# Allegro board HI3516APERB_VER_B_PCB.brd (continued)
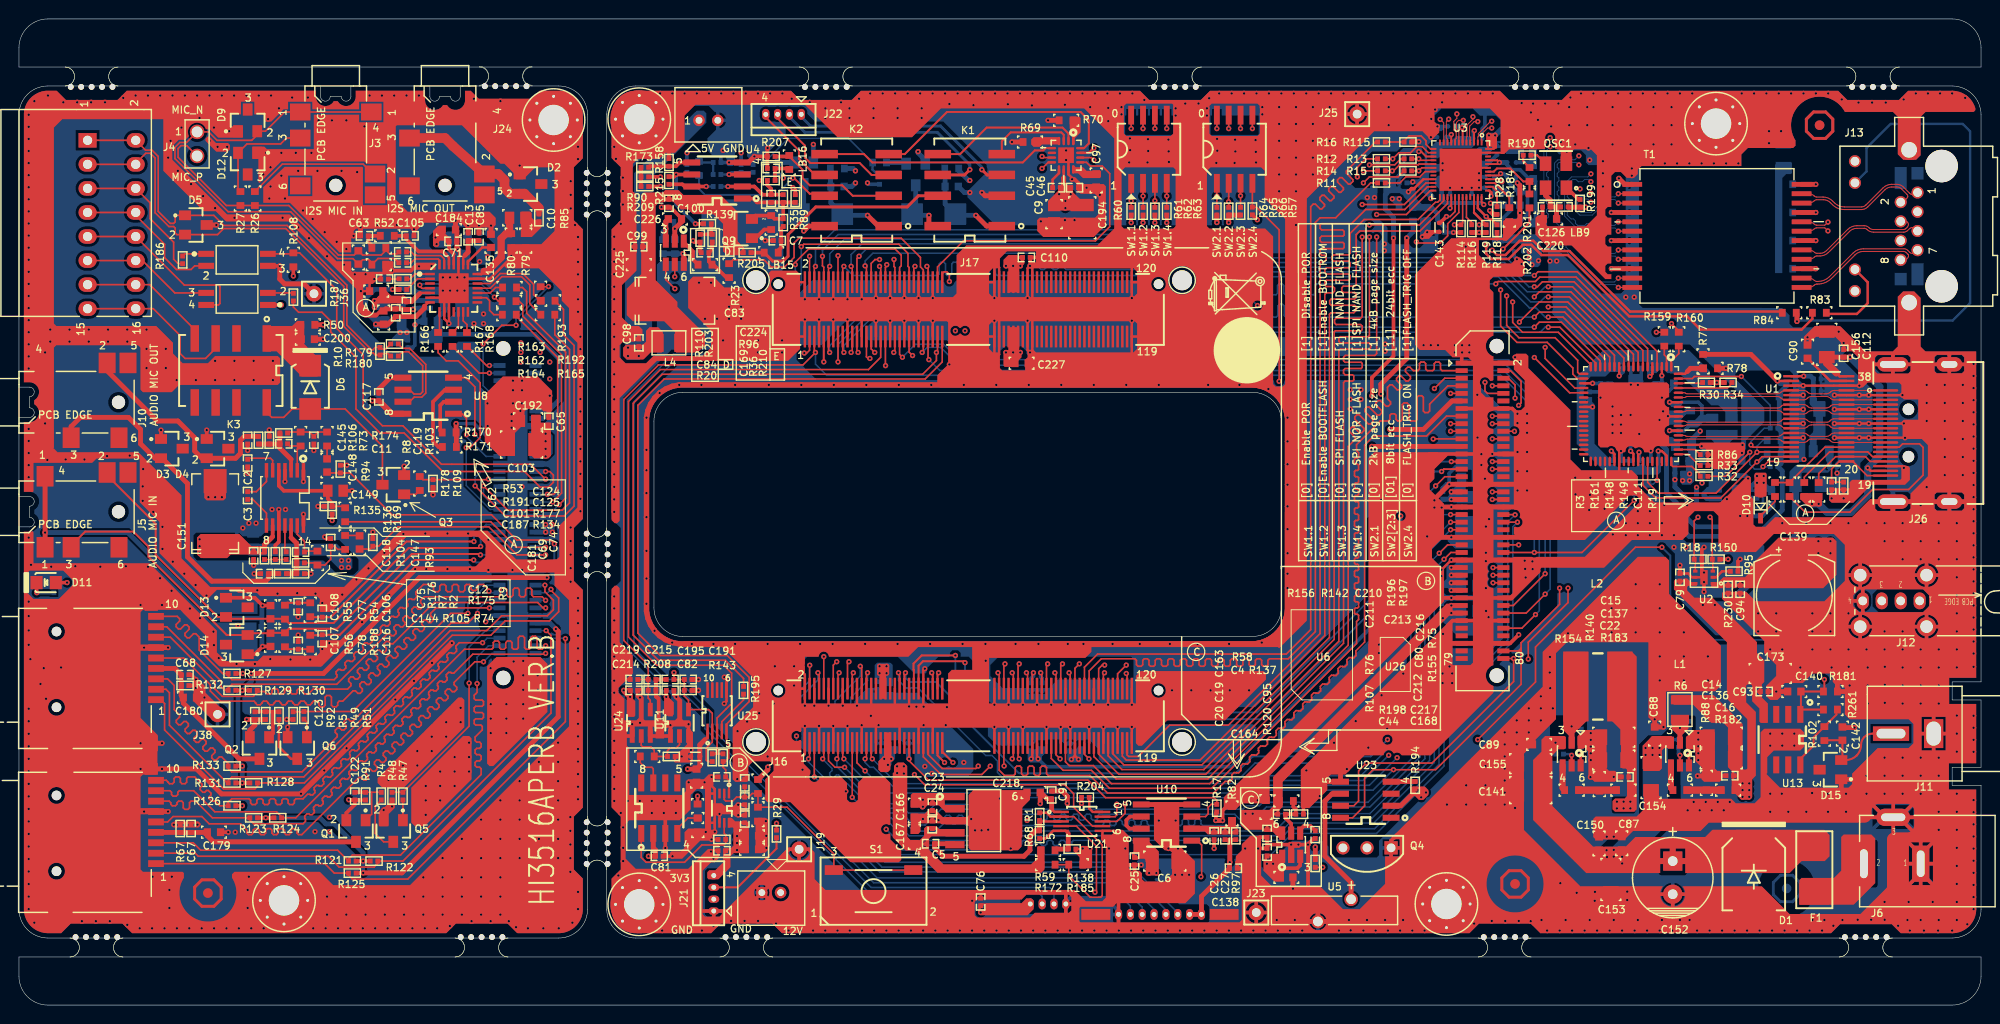
[diagram p0: board, top side]
## Routing (per net, layer and track width the routed paths; a pad name or vN(x,y) marks a point on that pad's centre or on a via; arc(x,y) is an arc through that point) (continued)
  BOTTOM w0.165: J9.3 v1(55.57,37.15)
SDIO1_CDATA1: length 93.3
  TOP w0.165: J8.5 150.44,66.2 v1(149.35,65.12) ; v1(106.3,35.1) 106.42,34.98 J16.76
  ART03 w0.165: v1(149.35,65.12) 149.35,64.48 149.03,64.16 148.8,64.16 148.59,64.38 148.35,64.38 148.12,64.14 148.12,63.91 148.33,63.7 148.33,63.46 148.1,63.23 147.86,63.23 147.65,63.44 147.42,63.44 147.19,63.21 147.19,62.97 147.4,62.76 147.4,62.53 147.16,62.3 146.93,62.3 146.72,62.51 146.49,62.51 146.25,62.27 146.25,62.04 146.46,61.83 146.46,61.6 146.23,61.36 146,61.36 145.78,61.57 145.55,61.57 145.32,61.34 145.32,61.11 145.53,60.89 145.53,60.66 144.66,59.8 144.43,59.8 144.09,60.13 143.86,60.13 143.63,59.9 143.63,59.67 143.96,59.33 143.96,59.1 142.85,57.98 142.61,57.98 142.21,58.38 141.98,58.38 141.75,58.15 141.75,57.91 142.15,57.51 142.15,57.28 141.91,57.05 141.68,57.05 141.28,57.45 141.05,57.45 140.81,57.21 140.81,56.98 141.21,56.58 141.21,56.35 140.98,56.11 140.75,56.11 140.35,56.51 140.11,56.51 139.88,56.28 139.88,56.05 140.28,55.64 140.28,55.41 139.24,54.38 139.24,53.8 139.41,53.64 139.53,53.64 139.7,53.47 139.7,53.14 139.53,52.98 139.41,52.98 139.24,52.81 139.24,52.48 139.41,52.32 139.53,52.32 139.7,52.15 139.7,51.82 139.53,51.66 139.41,51.66 139.24,51.49 139.24,51.16 139.41,51 139.53,51 139.7,50.83 139.7,50.5 139.53,50.34 139.41,50.34 139.24,50.17 139.24,49.84 139.41,49.68 139.53,49.68 139.7,49.51 139.7,49.18 139.53,49.02 139.41,49.02 139.24,48.85 139.24,48.52 139.41,48.36 139.53,48.36 139.7,48.19 139.7,47.86 139.53,47.69 139.41,47.69 139.24,47.53 139.24,47.2 139.41,47.03 139.53,47.03 139.7,46.87 139.7,46.54 139.53,46.37 139.41,46.37 139.24,46.21 139.24,45.88 139.41,45.71 139.53,45.71 139.7,45.55 139.7,45.22 139.53,45.05 139.41,45.05 139.24,44.89 139.24,44.56 139.41,44.39 139.53,44.39 139.7,44.23 139.7,43.9 139.53,43.73 139.41,43.73 139.24,43.57 139.24,43.24 139.41,43.07 139.53,43.07 139.7,42.91 139.7,42.58 139.53,42.41 139.41,42.41 139.24,42.25 139.24,41.92 139.41,41.75 139.53,41.75 139.7,41.59 139.7,41.26 139.53,41.09 139.41,41.09 139.24,40.93 139.24,40.6 139.41,40.43 139.53,40.43 139.7,40.27 139.7,38.62 131.54,30.46 120.03,30.46 118.11,28.54 108.08,28.54 106.68,29.94 106.68,33.75 106.3,34.12 v1(106.3,35.1)
SDIO1_CDATA1_C: length 59.1
  TOP w0.165: J1.8 15.93,22.64 16.1,22.47 16.1,22.23 16.26,22.07 16.59,22.07 16.76,22.23 16.76,22.47 16.92,22.64 18.44,22.64 20.66,20.41 27.18,20.41 27.71,19.88 R124.2 29.21,19.78 47.01,37.58 49.88,37.58 50.05,37.75 50.05,38.28 50.21,38.45 50.54,38.45 50.71,38.28 50.71,37.75 50.87,37.58 51.2,37.58 51.37,37.75 51.37,38.28 51.53,38.45 51.86,38.45 52.03,38.28 52.03,37.75 52.19,37.58 52.52,37.58 52.69,37.75 52.69,38.79 52.85,38.96 53.18,38.96 53.35,38.79 53.35,37.75 53.51,37.58 53.84,37.58 54.01,37.75 54.01,38.79 54.17,38.96 54.5,38.96 54.67,38.79 54.67,37.75 54.83,37.58 55.2,37.58 v1(55.57,37.95)
  BOTTOM w0.165: J9.5 v1(55.57,37.95)
SDIO1_CDATA2: length 92.9
  TOP w0.165: J16.85 108.92,26.05 110.17,24.8 113.16,24.8 115.06,22.89 125.84,22.89 141.14,38.18 141.14,40.51 141.35,40.72 141.35,41.17 141.24,41.28 141.03,41.28 140.92,41.38 140.92,41.83 141.03,41.94 141.24,41.94 141.35,42.04 141.35,42.49 141.24,42.6 141.03,42.6 140.92,42.7 140.92,43.15 141.03,43.26 141.24,43.26 141.35,43.37 141.35,43.81 141.24,43.92 141.03,43.92 140.92,44.03 140.92,44.47 141.03,44.58 141.24,44.58 141.35,44.69 141.35,45.13 141.24,45.24 141.03,45.24 140.92,45.35 140.92,45.79 141.03,45.9 141.24,45.9 141.35,46.01 141.35,46.45 141.24,46.56 141.03,46.56 140.92,46.67 140.92,47.11 141.03,47.22 141.24,47.22 141.35,47.33 141.35,47.77 141.24,47.88 141.03,47.88 140.92,47.99 140.92,48.43 141.03,48.54 141.24,48.54 141.35,48.65 141.35,49.09 141.24,49.2 141.03,49.2 140.92,49.31 140.92,49.75 141.03,49.86 141.24,49.86 141.35,49.97 141.35,50.41 141.24,50.52 141.03,50.52 140.92,50.63 140.92,51.07 141.03,51.18 141.24,51.18 141.35,51.29 141.35,51.73 141.24,51.84 141.03,51.84 140.92,51.95 140.92,52.39 141.03,52.5 141.24,52.5 141.35,52.61 141.35,53.06 141.24,53.16 141.03,53.16 140.92,53.27 140.92,53.72 141.03,53.82 141.24,53.82 141.35,53.93 141.35,54.38 141.24,54.48 141.03,54.48 140.92,54.59 140.92,55.04 141.03,55.14 141.24,55.14 141.35,55.25 141.35,55.7 141.24,55.8 141.03,55.8 140.92,55.91 140.92,56.36 141.03,56.47 141.24,56.47 141.35,56.57 141.35,57.02 141.24,57.13 141.03,57.13 140.92,57.23 140.92,57.68 141.03,57.79 141.24,57.79 141.35,57.89 141.35,58.34 141.14,58.55 141.14,59.19 143.64,61.69 144.48,61.69 144.65,61.86 144.65,62.29 144.81,62.45 145.14,62.45 145.31,62.29 145.31,61.86 145.47,61.69 145.8,61.69 145.97,61.86 145.97,63.43 146.13,63.59 146.46,63.59 146.69,63.37 146.69,61.86 146.85,61.69 147.36,61.69 147.53,61.86 147.53,64.19 147.69,64.36 148.02,64.36 148.19,64.19 148.19,62.74 148.35,62.58 148.68,62.58 148.85,62.74 148.85,63.47 150.78,65.4 J8.7
SDIO1_CDATA2_C: length 62.8
  TOP w0.165: J1.1 32.27,14.94 33.27,13.94 R125.2 34.77,13.71 35.18,13.3 41.02,13.3 57.66,29.94 v1(57.66,38.7)
  BOTTOM w0.165: J9.7 57.61,38.75 v1(57.66,38.7)
SDIO1_CDATA3: length 92.7
  TOP w0.165: J16.87 109.42,26.44 v1(109.86,26) ; J8.9 v1(151.06,64.6)
  ART03 w0.165: v1(109.86,26) 110.56,25.29 113.8,25.29 113.96,25.46 113.96,26.13 114.09,26.26 114.5,26.26 114.62,26.13 114.62,25.46 114.79,25.29 115.12,25.29 115.28,25.46 115.28,26.13 115.41,26.26 115.82,26.26 115.94,26.13 115.94,25.46 116.11,25.29 116.44,25.29 116.61,25.46 116.61,26.09 116.77,26.26 117.1,26.26 117.27,26.09 117.27,25.46 117.43,25.29 117.76,25.29 117.93,25.46 117.93,26.09 118.09,26.26 118.42,26.26 118.59,26.09 118.59,25.46 118.75,25.29 119.08,25.29 119.25,25.46 119.25,26.09 119.41,26.26 119.74,26.26 119.91,26.09 119.91,25.46 120.07,25.29 120.48,25.29 120.65,25.46 120.65,26.09 120.82,26.26 121.15,26.26 121.31,26.09 121.31,25.46 121.48,25.29 122.99,25.29 124.08,26.38 124.31,26.38 124.78,25.92 125.01,25.92 125.24,26.15 125.24,26.39 124.78,26.85 124.78,27.08 125.01,27.32 125.25,27.32 125.71,26.85 125.94,26.85 126.18,27.09 126.18,27.32 125.08,28.42 125.08,28.65 125.31,28.89 125.54,28.89 126.64,27.79 126.88,27.79 127.11,28.02 127.11,28.25 126.65,28.72 126.65,28.95 126.91,29.21 132.62,29.21 132.96,29.55 132.96,29.79 132.75,30 132.75,30.23 132.99,30.47 133.22,30.47 133.43,30.25 133.66,30.25 133.9,30.49 133.9,30.72 133.69,30.93 133.69,31.17 133.92,31.4 134.15,31.4 134.37,31.19 134.6,31.19 134.83,31.42 134.83,31.66 134.62,31.87 134.62,32.1 134.86,32.33 135.09,32.33 135.3,32.12 135.53,32.12 135.77,32.36 135.77,32.59 135.56,32.8 135.56,33.03 135.79,33.27 136.02,33.27 136.23,33.06 136.47,33.06 136.7,33.29 136.7,33.52 136.49,33.74 136.49,33.97 136.72,34.2 136.96,34.2 137.17,33.99 137.4,33.99 137.64,34.23 137.64,34.46 137.42,34.67 137.42,34.9 137.66,35.14 137.89,35.14 138.1,34.93 138.34,34.93 138.57,35.16 138.57,35.39 138.36,35.6 138.36,35.84 138.59,36.07 138.83,36.07 139.04,35.86 139.27,35.86 140.72,37.31 140.72,54.26 v1(151.06,64.6)
SDIO1_CDATA3_C: length 59.2
  TOP w0.165: J1.2 18.6,16.04 18.92,15.72 32.64,15.72 33.78,14.57 37.47,14.57 37.87,14.98 R122.2 40.51,15.21 56.13,30.83 56.13,39.04 v1(55.63,39.55)
  BOTTOM w0.165: v1(55.63,39.55) J9.9
SDIO1_VOUT: length 68
  TOP w0.165: J16.78 106.92,34.98 v1(107.04,35.1)
  TOP w0.508: v1(144.65,60.8) 148.21,60.8 151.21,63.8 J8.11
  ART04 w0.508: v1(144.65,60.8) 142.75,60.8 140.97,59.02 140.97,46.2 131.7,36.92 107.95,36.92 107.04,36.02 v1(107.04,35.1)
  BOTTOM w0.381: C102.1 106.81,34.51 107.04,34.75 v1(107.04,35.1)
SDIO1_VOUT_C: length 57.1
  TOP w0.381: R124.1 v1(26.04,19.78) R123.1 ; R121.1 v1(36.32,15.21) R122.1 ; v1(36.32,13.96) 36.3,13.94 R125.1
  TOP w0.508: v1(56.64,39.72) 56.9,39.46 56.9,30.45 40.41,13.96 v1(36.32,13.96)
  BOTTOM w0.381: v1(36.32,15.21) v1(36.32,13.96)
  BOTTOM w0.508: v1(36.32,15.21) 36.32,16.07 33.26,19.13 32.4,19.13 31.75,19.78 v1(26.04,19.78) ; J9.11 56.01,40.35 v1(56.64,39.72)
SELRGV: length 6.7
  TOP w0.165: R12.2 v1(144.96,89.38) 145.59,90.01 146.83,90.01 147.48,90.67 148.06,90.67 148.7,90.02 U3.14
  BOTTOM w0.165: R12.2 v1(144.96,89.38)
SYS_RSTN: length 88.9
  TOP w0.165: v1(69.11,35.12) C195.1 C191.1 R143.1 70.21,32.63 70.65,32.19 U11.4 72.77,31.21 73.16,30.82 U25.2 73.16,27.79 72.52,27.15 72.52,25.88 72.67,25.72 R196.1 ; v1(98.17,76.42) 98.17,77.18 97.92,77.44 97.62,77.44 97.42,77.24 J17.60
  ART03 w0.165: v1(98.17,76.42) 98.17,72.87 96.39,71.09 70.94,71.09 64.3,64.45 64.3,39.35 68.53,35.12 v1(69.11,35.12)
TEMPER_DQ: length 77.8
  TOP w0.165: J16.14 85.92,35.9 v1(86.28,36.26) ; R120.2 v1(137.57,14.55)
  ART03 w0.165: Q4.2 140.18,14.55 v1(137.57,14.55) 136.4,15.72 93.09,15.72 89.28,19.53 89.28,22.57 88.14,23.72 88.14,30.07 87.63,30.58 87.63,33.88 87.25,34.26 87.25,35.53 86.51,36.26 v1(86.28,36.26)
TX0+_SII9022A: length 22.2
  TOP w0.102: U22.62 175.68,61.67 arc(175.77,61.66) 175.85,61.63 arc(175.92,61.58) 176.01,61.56 185.6,61.56 arc(185.78,61.6) 185.94,61.7 186,61.77 arc(186.17,61.88) 186.38,61.92 U1.10 188.34,61.92 arc(188.52,61.88) 188.68,61.78 188.72,61.74 arc(188.92,61.61) 189.15,61.56 190.77,61.56 arc(190.94,61.59) 191.09,61.69 191.2,61.8 arc(191.33,61.89) 191.48,61.92 U1.29 J26.7
TX0-_SII9022A: length 22.2
  TOP w0.102: U22.61 175.68,61.17 arc(175.77,61.18) 175.85,61.22 arc(175.93,61.26) 176.01,61.28 185.6,61.28 arc(185.81,61.24) 185.99,61.12 186,61.11 arc(186.21,60.97) 186.45,60.92 U1.12 188.33,60.92 arc(188.52,60.96) 188.69,61.07 188.72,61.1 arc(188.92,61.23) 189.15,61.28 190.8,61.28 arc(190.95,61.25) 191.07,61.17 191.18,61.06 arc(191.33,60.96) 191.51,60.92 U1.27 J26.9
TX1+_SII9022A: length 22.2
  TOP w0.102: J26.4 U1.32 191.5,63.42 arc(191.33,63.39) 191.19,63.29 191.17,63.28 arc(190.93,63.12) 190.65,63.06 189.15,63.06 arc(188.98,63.09) 188.81,63.16 arc(188.77,63.2) 188.72,63.24 188.7,63.26 arc(188.52,63.38) 188.32,63.42 U1.7 186.35,63.42 arc(186.15,63.38) 185.98,63.26 185.93,63.22 arc(185.76,63.1) 185.55,63.06 176.01,63.06 arc(175.93,63.08) 175.86,63.12 arc(175.77,63.16) 175.68,63.17 U22.65
TX1-_SII9022A: length 22.2
  TOP w0.102: J26.6 196.86,62.42 U1.30 191.52,62.42 arc(191.33,62.46) 191.17,62.57 191.16,62.58 arc(190.94,62.73) 190.68,62.78 189.15,62.78 arc(188.92,62.73) 188.72,62.6 188.7,62.58 arc(188.52,62.46) 188.32,62.42 U1.9 186.53,62.42 arc(186.24,62.48) 185.99,62.64 arc(185.84,62.74) 185.66,62.78 176.01,62.78 arc(175.92,62.76) 175.84,62.71 arc(175.76,62.68) 175.67,62.67 U22.64
TX2+_SII9022A: length 22.2
  TOP w0.102: U22.68 175.68,64.67 arc(175.77,64.66) 175.85,64.63 arc(175.93,64.58) 176.01,64.56 185.53,64.56 arc(185.73,64.6) 185.9,64.71 arc(186.13,64.87) 186.4,64.92 U1.4 188.32,64.92 arc(188.52,64.88) 188.7,64.76 188.72,64.74 arc(188.77,64.7) 188.81,64.66 arc(188.98,64.59) 189.15,64.56 190.68,64.56 arc(190.94,64.61) 191.15,64.76 191.16,64.76 arc(191.33,64.88) 191.54,64.92 U1.35 J26.1
TX2-_SII9022A: length 22.2
  TOP w0.102: U22.67 175.74,64.17 arc(175.82,64.19) 175.89,64.23 arc(175.95,64.27) 176.01,64.28 185.52,64.28 arc(185.73,64.24) 185.91,64.12 arc(186.13,63.97) 186.39,63.92 U1.6 188.32,63.92 arc(188.52,63.96) 188.7,64.08 188.72,64.1 arc(188.92,64.23) 189.15,64.28 190.68,64.28 arc(190.94,64.23) 191.16,64.08 191.17,64.07 arc(191.33,63.96) 191.52,63.92 U1.33 J26.3
TX+_0: length 14
  TOP w0.102: J13.1 200.02,85.64 arc(199.88,85.6) 199.74,85.61 199.72,85.61 arc(199.59,85.66) 199.49,85.74 198.83,86.4 arc(198.52,86.61) 198.15,86.68 197.6,86.68 arc(197.11,86.58) 196.68,86.3 194.88,84.5 arc(194.66,84.35) 194.4,84.3 192.6,84.3 arc(192.03,84.41) 191.55,84.73 191.35,84.94 arc(190.9,85.23) 190.38,85.34 189.69,85.34 arc(189.55,85.36) 189.44,85.44 arc(189.16,85.63) 188.83,85.69 T1.23
TX+_1: length 14.8
  TOP w0.102: v1(190.88,82.69) 190.58,82.4 arc(190.55,82.38) 190.51,82.37 189.69,82.37 arc(189.55,82.39) 189.44,82.47 arc(189.16,82.66) 188.83,82.72 T1.20
  ART03 w0.102: v1(190.88,82.69) 191.17,82.4 arc(191.21,82.38) 191.25,82.37 193.14,82.37 arc(194.05,82.55) 194.81,83.06 arc(195.76,83.69) 196.88,83.91 198.63,83.91 arc(199.32,83.67) 199.72,83.04 arc(199.73,83.01) 199.73,82.97 arc(199.78,82.76) 199.91,82.59 arc(200.07,82.57) 200.2,82.64 arc(200.3,82.78) 200.33,82.95 J13.3
TX+_2: length 13.9
  TOP w0.102: J13.4 199.08,82.77 arc(199.18,82.75) 199.26,82.7 arc(199.34,82.58) 199.36,82.45 199.36,82.43 arc(199.33,82.28) 199.25,82.16 199.07,81.99 199.07,81.99 arc(198.97,81.93) 198.86,81.91 195.69,81.91 arc(195.42,81.96) 195.2,82.11 arc(194.97,82.26) 194.71,82.31 193.93,82.31 arc(193.4,82.21) 192.95,81.91 190.72,79.68 arc(190.41,79.47) 190.05,79.4 189.71,79.4 arc(189.58,79.42) 189.46,79.5 arc(189.18,79.69) 188.85,79.75 T1.17
TX+_3: length 13.9
  TOP w0.102: T1.14 188.83,76.78 arc(189.16,76.72) 189.44,76.53 arc(189.55,76.45) 189.69,76.43 189.79,76.43 arc(190.48,76.56) 191.06,76.95 193.54,79.43 arc(194.03,79.76) 194.61,79.88 198.9,79.88 arc(199.12,79.83) 199.3,79.71 199.52,79.5 arc(199.81,79.37) 200.1,79.5 J13.7
TX-_0: length 14
  TOP w0.102: T1.22 188.83,84.7 arc(189.16,84.77) 189.44,84.96 arc(189.55,85.03) 189.69,85.06 190.38,85.06 arc(190.79,84.98) 191.15,84.74 191.35,84.54 arc(191.93,84.15) 192.6,84.02 194.4,84.02 arc(194.76,84.09) 195.07,84.3 196.88,86.11 arc(197.21,86.33) 197.6,86.4 198.15,86.4 arc(198.41,86.35) 198.63,86.2 199.22,85.62 arc(199.29,85.5) 199.29,85.36 199.29,85.36 arc(199.22,85.22) 199.11,85.12 J13.2
TX-_1: length 14.9
  TOP w0.102: v1(190.88,81.76) 190.58,82.06 arc(190.55,82.08) 190.51,82.09 189.69,82.09 arc(189.55,82.06) 189.44,81.99 arc(189.16,81.8) 188.83,81.73 T1.19
  ART03 w0.102: v1(190.88,81.76) 191.17,82.06 arc(191.21,82.08) 191.25,82.09 193.14,82.09 arc(194.15,82.29) 195.01,82.86 arc(195.87,83.43) 196.88,83.64 198.53,83.64 arc(198.57,83.63) 198.61,83.63 arc(199.12,83.43) 199.43,82.96 199.43,82.96 arc(199.43,82.93) 199.44,82.91 arc(199.45,82.88) 199.45,82.85 arc(199.46,82.74) 199.46,82.62 arc(199.38,82.31) 199.19,82.04 198.78,81.63 arc(198.61,81.37) 198.55,81.07 J13.6
TX-_2: length 13.8
  TOP w0.102: T1.16 188.85,78.76 arc(189.18,78.83) 189.46,79.02 arc(189.58,79.09) 189.71,79.12 190.05,79.12 arc(190.52,79.21) 190.92,79.48 193.15,81.71 arc(193.51,81.95) 193.93,82.04 194.71,82.04 arc(194.87,82) 195,81.91 arc(195.32,81.7) 195.69,81.63 198.86,81.63 arc(199.07,81.67) 199.26,81.79 199.5,82.01 arc(199.79,82.13) 200.08,82 J13.5
TX-_3: length 13.9
  TOP w0.102: T1.13 188.83,75.79 arc(189.16,75.86) 189.44,76.05 arc(189.55,76.12) 189.69,76.15 189.79,76.15 arc(190.58,76.31) 191.26,76.76 193.73,79.23 arc(194.13,79.5) 194.61,79.6 198.83,79.6 arc(198.99,79.57) 199.12,79.49 arc(199.14,79.48) 199.15,79.46 199.33,79.29 arc(199.34,79.28) 199.34,79.28 arc(199.35,79.27) 199.35,79.26 arc(199.37,79.22) 199.38,79.18 199.38,79.08 arc(199.21,78.81) 198.91,78.71 J13.8
TX_DSCL_HDMI: length 10.5
  TOP w0.165: R148.1 188.38,55.76 191.04,58.42 U1.22 195.08,58.42 195.58,57.92 J26.15
TX_DSCL_SII9022A: length 21.6
  TOP w0.165: U22.49 171.85,55.21 172.99,54.07 179.07,54.07 v1(183.39,58.39) 183.42,58.42 U1.17
  BOTTOM w0.165: v1(183.39,58.39) 183.39,59.02 184.02,59.66 R147.1
TX_DSDA_HDMI: length 9
  TOP w0.165: J26.16 195.34,57.42 194.84,57.92 U1.21 191.68,57.92 189.9,56.14 R149.1
TX_DSDA_SII9022A: length 21.9
  TOP w0.165: U1.18 183.94,57.92 v1(183.39,57.37) 179.58,53.56 172.69,53.56 171.35,54.91 U22.48
  BOTTOM w0.165: R146.1 183.67,57.37 v1(183.39,57.37)
TXC+_SII9022A: length 22.2
  TOP w0.102: J26.10 U1.26 191.57,60.42 arc(191.34,60.37) 191.14,60.24 191.13,60.23 arc(190.94,60.1) 190.72,60.06 189.13,60.06 arc(188.97,60.08) 188.82,60.16 arc(188.78,60.19) 188.74,60.22 188.71,60.25 arc(188.52,60.38) 188.3,60.42 U1.13 186.42,60.42 arc(186.2,60.38) 186.02,60.25 arc(185.8,60.11) 185.55,60.06 176.01,60.06 arc(175.93,60.08) 175.86,60.12 arc(175.77,60.16) 175.67,60.17 U22.59
TXC-_SII9022A: length 22.2
  TOP w0.102: J26.12 U1.24 191.56,59.42 arc(191.34,59.46) 191.15,59.59 191.12,59.62 arc(190.94,59.74) 190.73,59.78 189.13,59.78 arc(188.92,59.74) 188.74,59.62 188.7,59.58 arc(188.52,59.46) 188.32,59.42 U1.15 186.38,59.42 arc(186.18,59.46) 186.02,59.57 arc(185.78,59.73) 185.51,59.78 176.02,59.78 arc(175.91,59.76) 175.82,59.7 arc(175.75,59.68) 175.68,59.67 U22.58
TXDLY: length 3.1
  TOP w0.165: R13.2 v1(147.7,89.38) 147.85,89.22 U3.16
  BOTTOM w0.165: R13.2 v1(147.7,89.38)
UART0_RXD: length 124.8
  TOP w0.165: v1(82.55,80.1) 82.8,80.36 92.84,80.36 93.8,79.39 93.8,78.02 93.92,77.9 J17.46
  BOTTOM w0.165: v1(82.55,80.1) 82.55,76.12 74.6,68.17 69.34,68.17 64.9,63.72 64.9,37.69 68.2,34.38 69.47,34.38 72.9,30.96 72.9,29.43 89.92,12.41 108.79,12.41 109.21,11.99 J20.3
UART0_TXD: length 122.5
  TOP w0.165: J17.42 92.92,77.9 93.09,78.07 93.09,79.22 92.46,79.85 83.31,79.85 81.92,78.45 v1(81.92,78.2)
  BOTTOM w0.165: J20.2 107.96,11.49 107.51,11.93 89.64,11.93 72.39,29.18 72.39,30.7 69.34,33.75 68.07,33.75 64.21,37.61 64.21,63.93 69.04,68.75 74.3,68.75 81.92,76.37 v1(81.92,78.2)
UART1_RTSN: length 84.7
  TOP w0.165: J8.60 v1(155.54,44.6) ; v1(84.92,36.8) J16.10
  ART04 w0.165: v1(84.92,36.8) 84.92,36.88 85.49,37.45 96.25,37.45 103,30.7 132.13,30.7 141.4,39.97 152.15,39.97 155.54,43.36 v1(155.54,44.6)
UART1_RTSN_C: length 7.8
  TOP w0.508: R171.1 46.15,60.45 R170.1 v1(46.13,61.41)
  BOTTOM w0.381: J9.60 49.89,59.55 48.03,61.41 v1(46.13,61.41)
UART1_RXD: length 88.3
  TOP w0.165: J16.23 88.42,25.59 v1(89.28,24.73) ; J8.56 v1(155.54,46.2)
  ART04 w0.165: v1(155.54,46.2) 155.82,46.2 156.59,45.43 156.59,40.35 153.19,36.96 153.19,33.91 v1(145.41,26.13)
  BOTTOM w0.165: v1(89.28,24.73) 91.61,22.4 129.5,22.4 130.3,23.21 142.49,23.21 v1(145.41,26.13)
UART1_RXD_C: length 7.9
  TOP w0.165: U8.1 46.74,62.45 47.22,61.97 v1(47.22,60.24)
  BOTTOM w0.165: J9.56 49.28,57.95 47.22,60.01 v1(47.22,60.24)
UART1_TXD: length 85.2
  TOP w0.165: J8.58 v1(155.54,45.4) ; J16.27 89.42,26.14 v1(89.28,26)
  ART04 w0.165: v1(155.54,45.4) 155.73,45.4 156.08,45.05 156.08,40.72 152.65,37.29 152.65,34.51 v1(144.53,26.38)
  BOTTOM w0.165: v1(89.28,26) 89.28,25.62 89.79,25.11 90.18,25.11 92.4,22.9 129.23,22.9 130.05,23.72 141.86,23.72 v1(144.53,26.38)
UART1_TXD_C: length 10.9
  TOP w0.165: v1(48.11,60.27) 48.11,65.3 47.14,66.26 U8.4
  BOTTOM w0.165: v1(48.11,60.27) 49.61,58.77 50.68,58.77 J9.58
USB_DM: length 124.6
  TOP w0.165: v1(88.54,68.93) 88.42,69.05 J17.23
  ART04 w0.114: J12.2 198.36,42.69 arc(198.09,42.74) 197.87,42.89 arc(197.8,42.99) 197.78,43.11 197.78,44.8 arc(197.57,45.85) 196.97,46.74 194.2,49.51 arc(193.61,49.91) 192.92,50.04 177.83,50.04 arc(177.65,50.08) 177.49,50.19 177.41,50.27 176.08,51.59 arc(175.59,51.92) 175.01,52.04 173.64,52.04 arc(173.5,52.07) 173.37,52.15 171.67,53.86 arc(171.27,54.12) 170.81,54.21 169.95,54.21 arc(169.14,54.37) 168.45,54.84 156.74,66.54 arc(156.3,66.83) 155.78,66.94 89.73,66.94 arc(88.73,67.35) 88.32,68.35 88.32,68.39 arc(88.38,68.68) v1(88.54,68.93)
USB_DP: length 124.6
  TOP w0.165: v1(87.8,68.93) 87.92,69.05 J17.21
  ART04 w0.114: v1(87.8,68.93) arc(87.97,68.68) 88.03,68.39 88.03,68.35 arc(88.52,67.14) 89.73,66.65 155.78,66.65 arc(156.19,66.56) 156.54,66.33 168.24,54.63 arc(169.02,54.1) 169.95,53.92 170.81,53.92 arc(171.16,53.85) 171.46,53.65 173.17,51.95 arc(173.38,51.8) 173.64,51.75 175.01,51.75 arc(175.48,51.65) 175.88,51.39 177.24,50.02 177.29,49.98 arc(177.54,49.81) 177.83,49.75 192.92,49.75 arc(193.5,49.64) 194,49.3 196.77,46.53 arc(197.3,45.74) 197.49,44.8 197.49,43.63 arc(197.21,42.96) J12.3
USB_OVRCUR: length 105.7
  TOP w0.165: v1(94.54,78.02) 94.42,77.9 J17.48 ; U2.3 178.72,47.02 R150.2 178.66,51.3 v1(178.44,51.53)
  ART03 w0.165: v1(98.81,71.21) 98.81,76.8 98.3,77.31 95.25,77.31 v1(94.54,78.02)
  ART04 w0.165: v1(98.81,71.21) 102.31,67.71 156.79,67.71 169.72,54.79 171.91,54.79 173.31,53.39 176.57,53.39 v1(178.44,51.53)
USB_PWREN: length 108
  TOP w0.165: J17.54 95.92,77.9 v1(95.8,78.02) ; U2.4 176.88,46.97 R18.2 176.76,51.12 v1(177.16,51.53)
  ART03 w0.165: v1(99.82,71.21) 99.82,76.55 98.35,78.02 v1(95.8,78.02)
  ART04 w0.165: v1(177.16,51.53) 177.8,50.89 178.82,50.89 179.2,51.28 179.2,51.78 177.09,53.89 173.51,53.89 172.12,55.28 169.92,55.28 157,68.21 102.83,68.21 v1(99.82,71.21)
VDAC_CVBS: length 133.2
  TOP w0.165: v1(153.92,28.03) 160.02,34.13 160.02,37.81 170.56,48.35 v1(173.35,48.35)
  TOP w0.203: R261.1 188.16,31.21 187.96,31.01 U13.1 188.02,30.77 C140.1 R181.1 190.5,33.22 v1(190.5,34.38) ; v1(93.54,35.1) 93.42,34.98 J16.44
  ART03 w0.203: v1(153.92,28.03) v1(144.4,28.03)
  BOTTOM w0.203: v1(144.4,28.03) 142.62,26.26 130.17,26.26 128.4,24.48 105.52,24.48 99.19,30.81 99.19,31.69 96.75,34.13 93.98,34.13 93.54,34.57 v1(93.54,35.1) ; v1(173.35,48.35) 174.24,47.47 174.24,43.15 178.82,38.58 186.31,38.58 v1(190.5,34.38)
VI_POWER: length 41
  TOP w0.165: U10.3 125.2,19.91 125.48,20.19 125.48,20.87 125.81,21.2 R17.2 126.39,21.62 126.11,21.9 114.65,21.9 112.79,23.76 95.97,23.76 93.92,25.81 v1(93.92,26) J16.45
  BOTTOM w0.508: C160.1 93.85,26.07 v1(93.92,26)
VO_CLK: length 99.1
  TOP w0.165: v1(161.04,69.46) 161.04,68.29 164.16,65.17 U22.22 ; J17.18 86.92,77.9 v1(87.04,78.02)
  ART04 w0.165: v1(130.68,73.88) 132.37,72.2 157.13,72.2 159.33,70 160.5,70 v1(161.04,69.46)
  BOTTOM w0.165: v1(130.68,73.88) 125.98,78.58 119.63,78.58 118.11,77.06 103.21,77.06 103.05,77.22 103.05,78.29 102.88,78.45 102.55,78.45 102.39,78.29 102.39,77.22 102.22,77.06 101.89,77.06 101.73,77.22 101.73,78.29 101.56,78.45 101.23,78.45 101.07,78.29 101.07,77.22 100.9,77.06 100.57,77.06 100.41,77.22 100.41,78.29 100.24,78.45 99.91,78.45 99.75,78.29 99.75,77.22 99.58,77.06 99.25,77.06 99.09,77.22 99.09,78.29 98.92,78.45 98.59,78.45 98.43,78.29 98.43,77.22 98.26,77.06 97.93,77.06 97.77,77.22 97.77,78.29 97.6,78.45 97.27,78.45 97.11,78.29 97.11,77.22 96.94,77.06 88.01,77.06 87.39,77.68 87.39,77.68 v1(87.04,78.02)
VO_DAT0/BOOT_SEL: length 99.3
  TOP w0.165: SW1.3 v1(119.86,84.96) 119.86,84.93 R62.2 ; J17.40 92.42,77.9 92.33,78 v1(92.33,78.75) ; v1(161.37,73.73) 163.25,73.73 168.35,68.63 U22.13
  ART04 w0.165: v1(161.37,73.73) 161.04,73.73 160.5,73.19 133.09,73.19 122.12,84.16 120.66,84.16 v1(119.86,84.96) 119.86,85.22 118.96,86.11 117.13,86.11 116.39,85.37 116.39,85.14 116.73,84.8 116.73,84.57 116.5,84.34 116.27,84.34 115.93,84.67 115.69,84.67 115.46,84.44 115.46,84.21 115.8,83.87 115.8,83.64 115.56,83.4 115.33,83.4 114.99,83.74 114.76,83.74 114.53,83.51 114.53,83.27 114.86,82.93 114.86,82.7 114.63,82.47 114.4,82.47 114.06,82.81 113.83,82.81 113.59,82.57 113.59,82.34 113.93,82 113.93,81.77 113.7,81.53 113.46,81.53 113.12,81.87 112.89,81.87 112.66,81.64 112.66,81.4 113,81.07 113,80.83 112.76,80.6 112.53,80.6 112.19,80.94 111.96,80.94 111.38,80.36 93.94,80.36 v1(92.33,78.75)
VO_DAT1/BOOTROM_SEL: length 95.1
  TOP w0.165: U22.11 169.35,68.33 163.43,74.26 160.42,74.26 158.32,72.15 v1(158.32,72.14) ; v1(91.57,78.2) 91.57,78.05 91.42,77.9 J17.36 ; SW1.2 v1(118.61,85.44) R61.2
  ART04 w0.165: 118.61,85.27 120.21,83.66 121.92,83.66 132.88,72.69 157.76,72.69 v1(158.32,72.14) ; 118.61,85.27 113.2,79.86 95.01,79.86 93.22,78.07 91.69,78.07 v1(91.57,78.2) ; 118.61,85.27 v1(118.61,85.44)
VO_DAT2: length 91.9
  TOP w0.165: U22.10 169.85,68.53 163.59,74.8 v1(161.37,74.8) ; v1(87.8,78.02) 87.92,77.9 J17.22
  BOTTOM w0.165: v1(87.8,78.02) 87.8,79.26 88.94,80.4 126.83,80.4 129.79,77.44 156.34,77.44 159.51,74.27 160.51,74.27 161.04,74.8 v1(161.37,74.8)
VO_DAT3/SFC_DEVICE_MODE: length 98.5
  TOP w0.165: SW1.4 v1(121.11,85.44) R63.2 ; J17.30 89.92,78.33 90.34,78.75 v1(90.81,78.75) ; v1(159.89,74.8) 160.42,75.32 163.76,75.32 170.35,68.74 170.35,68.25 U22.9
  ART04 w0.165: v1(159.89,74.8) 159.89,74.8 158.78,73.69 133.29,73.69 121.54,85.44 v1(121.11,85.44) 119.94,86.61 116.74,86.61 111,80.87 92.93,80.87 v1(90.81,78.75)
VO_DAT4: length 95.9
  TOP w0.165: J17.12 85.42,77.9 v1(85.54,78.02) ; U22.8 170.85,68.94 163.92,75.86 v1(161.37,75.86)
  BOTTOM w0.165: v1(85.54,78.02) 85.54,79.34 87.09,80.89 127.23,80.89 130.19,77.93 156.54,77.93 159.14,75.34 160.51,75.34 161.04,75.86 v1(161.37,75.86)
VO_DAT5: length 97.9
  TOP w0.165: U22.7 171.35,69.14 164.09,76.39 160.75,76.39 160.22,75.86 v1(159.89,75.86) ; J17.10 84.92,77.93 84.78,78.07 v1(84.78,79.09)
  BOTTOM w0.165: v1(84.78,79.09) 84.78,79.73 86.44,81.39 127.5,81.39 130.45,78.43 156.75,78.43 159.31,75.86 v1(159.89,75.86)
VO_DAT6: length 107.1
  TOP w0.165: J17.28 89.42,77.93 v1(89.28,78.07) ; v1(155.83,76.17) 156.08,76.42 160,76.42 160.47,76.89 164.3,76.89 171.85,69.34 U22.6
  BOTTOM w0.165: v1(89.28,78.07) 89.28,78.58 90.11,79.41 107.38,79.41 107.67,79.11 107.67,77.86 107.84,77.69 108.17,77.69 108.33,77.86 108.33,79.11 108.5,79.28 108.83,79.28 108.99,79.11 108.99,77.86 109.16,77.69 109.49,77.69 109.65,77.86 109.65,79.11 109.82,79.28 110.15,79.28 110.31,79.11 110.31,77.86 110.48,77.69 117.67,77.69 119.25,79.28 126.3,79.28 129.41,76.17 131.98,76.17 132.14,76 132.14,75.19 132.31,75.02 132.64,75.02 132.8,75.19 132.8,76 132.97,76.17 133.3,76.17 133.46,76 133.46,75.19 133.63,75.02 133.96,75.02 134.12,75.19 134.12,76 134.29,76.17 134.62,76.17 134.78,76 134.78,75.19 134.95,75.02 135.28,75.02 135.44,75.19 135.44,76 135.61,76.17 135.94,76.17 136.11,76 136.11,75.19 136.27,75.02 136.6,75.02 136.77,75.19 136.77,76 136.93,76.17 v1(155.83,76.17)
